# Altium PCB NORA_Clock_V0.2.PcbDoc (part 1 of 3) (continued)
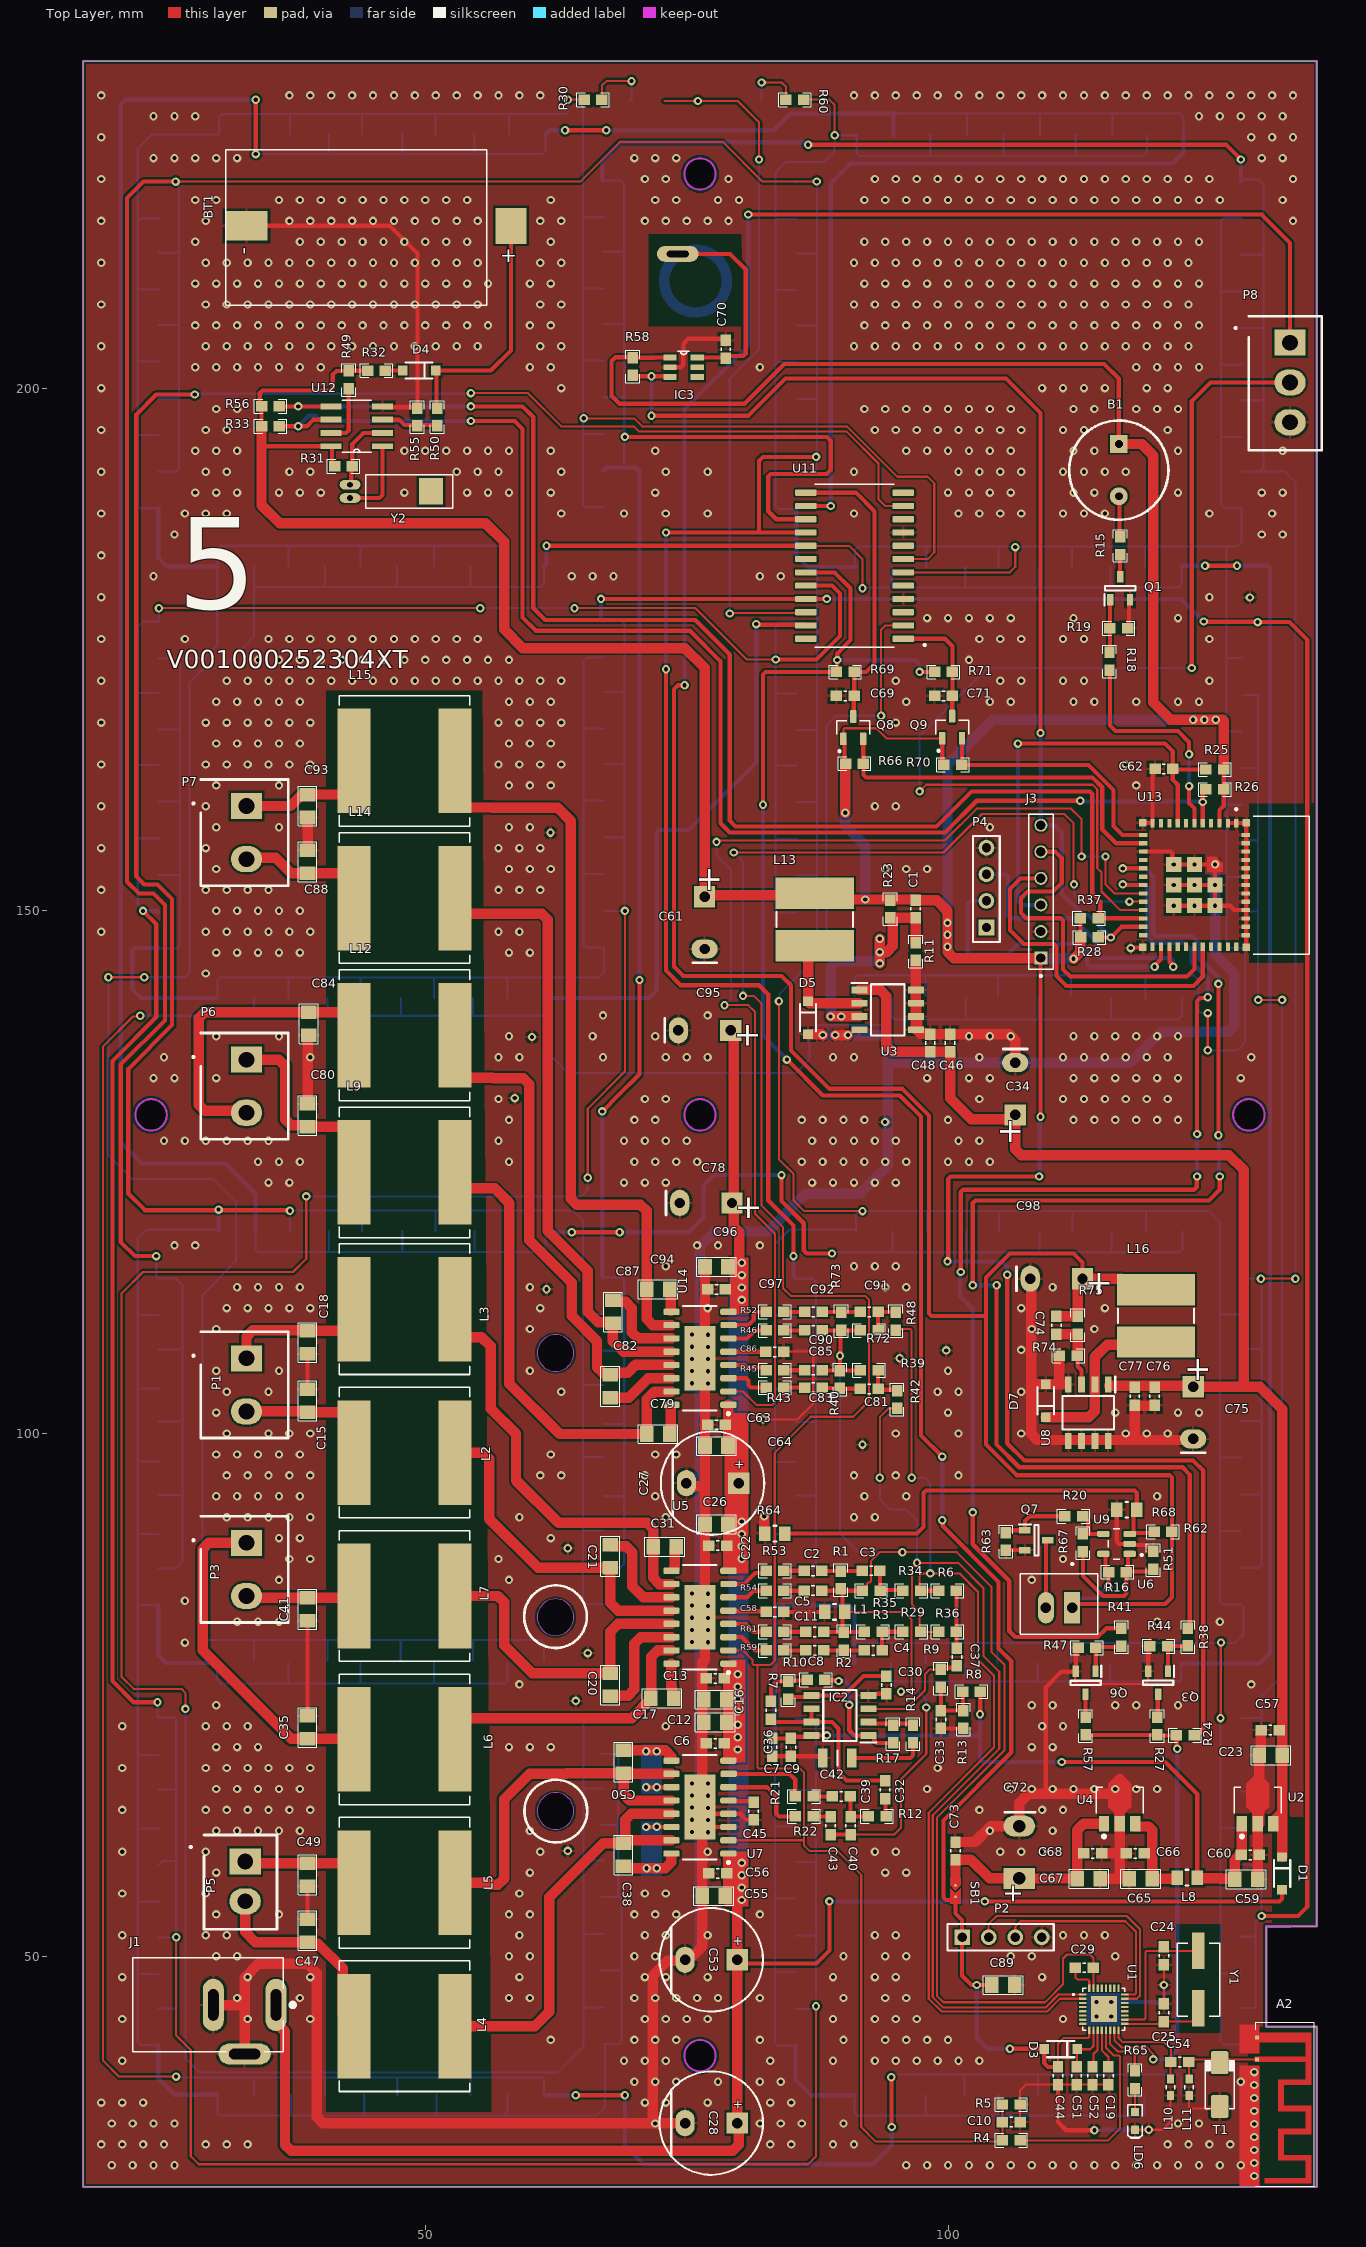
[diagram p0: Top Layer view]
## Footprints (in the part's own frame and the unit in brackets; to place one, negate y for a bottom-side part, rotate by r counter-clockwise, add the part's x,y. Pads: shape width x height; smd on the part's side, far side on the other; paste and mask are expansions set on the pad)
"1N4148 SOD-123" [mm]
  rect 0.9x0.95 smd: 1(-1.575,0) 2(1.575,0)
  silkscreen extent -1.3,-0.77 1.3,0.77, body extent -1.85,-0.8 1.85,0.8, height 1.28
"1N5819 SOD-123" [mm]
  rect 0.9x0.95 smd: 1(-1.575,0) 2(1.575,0)
  silkscreen extent -1.3,-0.77 1.3,0.77, body extent -1.85,-0.8 1.85,0.8, height 1.28
"7Seg 90*60 - No Wiring COMMON Cathod - 1206" [mm]
  round 0.254 on Mech15: 0(-22.352,-35.814) 0(-22.352,-22.985) 0(-22.352,-18.542) 0(-22.352,-6) 0(-22.352,-10.104) 0(-22.352,-14.224) 0(-22.351,-27.209) 0(-22.351,-31.527) 0(-14.955,-42.164) 0(-14.828,-0.889) 0(-10.851,-42.164) 0(-10.724,-0.889) 0(-6.731,-42.164) 0(-6.604,-0.889) 0(-2.413,-42.164) 0(-2.286,-0.889) 0(2.03,-42.164) 0(2.157,-0.889) 0(6.254,-42.163) 0(6.381,-0.888) 0(10.572,-42.163) 0(10.699,-0.888) 0(14.859,-42.164) 0(14.986,-0.889) 0(20.193,-35.56) 0(20.193,-22.731) 0(20.193,-18.288) 0(20.193,-5.746) 0(20.193,6.35) 0(20.193,19.179) 0(20.193,23.622) 0(20.193,36.164) 0(20.193,-9.85) 0(20.193,32.06) 0(20.193,-13.97) 0(20.193,27.94) 0(20.194,-26.955) 0(20.194,14.955) 0(20.194,-31.273) 0(20.194,10.637)
  rect 1.5x1.5 smd: 2(-21.425,-32.841) 2(-21.425,-26.041) 2(-21.425,-19.141) 2(-21.425,-12.124) 2(-21.425,-5.1) 3(-15.7,-41.2) 3(-8.676,-41.2) 3(-1.659,-41.2) 3(5.241,-41.2) 3(12.041,-41.2) 4(21.2,-32.937) 4(21.2,-26.137) 4(21.2,-19.237) 4(21.2,-12.22) 4(21.2,-5.196) 5(-21.425,-36.341) 5(-21.425,-29.541) 5(-21.425,-22.641) 5(-21.425,-15.624) 5(-21.425,-8.6) 5(-21.4,5.75) 5(-21.4,12.55) 5(-21.4,19.45) 5(-21.4,26.467) 5(-21.4,33.491) 5(-12.332,41.4) 5(-12.2,-41.2) 5(-12.178,0.1) 5(-5.308,41.4) 5(-5.176,-41.2) 5(-5.154,0.1) 5(1.709,41.4) 5(1.841,-41.2) 5(1.863,0.1) 5(8.609,41.4) 5(8.741,-41.2) 5(8.763,0.1) 5(15.409,41.4) 5(15.541,-41.2) 5(15.563,0.1) 5(21.2,-36.437) 5(21.2,-29.637) 5(21.2,-22.737) 5(21.2,-15.72) 5(21.2,-8.696) 5(21.2,5.659) 5(21.2,12.459) 5(21.2,19.359) 5(21.2,26.376) 5(21.2,33.4) 6(21.2,9.159) 6(21.2,15.959) 6(21.2,22.859) 6(21.2,29.876) 6(21.2,36.9) 7(-15.832,41.4) 7(-8.808,41.4) 7(-1.791,41.4) 7(5.109,41.4) 7(11.909,41.4) 9(-21.4,9.25) 9(-21.4,16.05) 9(-21.4,22.95) 9(-21.4,29.967) 9(-21.4,36.991) 10(-15.678,0.1) 10(-8.654,0.1) 10(-1.637,0.1) 10(5.263,0.1) 10(12.063,0.1)
  silkscreen extent -22.58,-42.35 22.35,42.55, body extent -22.15,-41.9 21.95,42.15, height 1.36
78L05 [mm] "SOT-89"
  rect 1x1.5 smd: 1(-1.5,-2) 3(1.5,-2)
  rect 1x1.5 smd paste-2 mask+0: 2(0,-2)
  Top Layer region: 1.1,1.85 1.1,-0.35 0.5,-0.95 0.5,-2.75 -0.5,-2.75 -0.5,-0.95 -1.1,-0.35 -1.1,1.85 -0.2,2.75 0.2,2.75
  silkscreen extent -2.25,-3.34 2.25,1.5, body extent -2.29,-2.35 2.41,2.1, height 1.7
"ANTENNA 2.4GHZ - TI" [mm] "TI ANTENNA"
  rect 0.4x0.4 smd: 1(-2.05,0.2) 2(0.05,0.2)
  Top Layer region: 0.3,0 -0.2,0 -0.2,4.9 -1.6,4.9 -1.6,0 -2.5,0 -2.5,5.4 2.5,5.4 2.5,2.76 4.5,2.76 4.5,5.4 7.2,5.4 7.2,2.76 9.2,2.76 9.2,5.4 11.9,5.4 11.9,0.96 11.4,0.96 11.4,4.9 9.7,4.9 9.7,2.26 6.7,2.26 6.7,4.9 5,4.9 5,2.26 2,2.26 2,4.9 0.3,4.9
  silkscreen extent -3.5,0.1 12.2,5.7
"battery Holder 2032" [mm]
  rect 4.064x2.8 smd: NEG(10.795,0)
  rect 3x3.45 smd: POS(-14.5,0)
  silkscreen extent -12.2,-7.3 12.8,7.6, body extent -14.9,-7.67 9.75,7.92, height 5.31
BC817 [mm] "SOT23-3"
  rect 1.1x0.6 smd: 1(-1.1,0.95) 2(-1.1,-0.95) 3(1.1,0)
  silkscreen extent -1.65,-1.45 0.2,1.5, body extent -1.25,-1.5 1.25,1.5, height 1.11
"BJT SS805" [mm]
  rect 1.1x0.6 smd: 1(-1.1,0.95) 2(-1.1,-0.95) 3(1.1,0)
  silkscreen extent -1.65,-1.45 0.2,1.5, body extent -1.25,-1.5 1.25,1.5, height 1.11
BS812C-1 [mil] "SOT23-6"
  rect 50x22 smd: 1(-51,37) 2(-51,0) 3(-51,-37) 4(51,-37) 5(51,0) 6(51,37)
  silkscreen extent -21,48 21,60, body extent -55,-57 55,57, height 57
BSS138 [mm] "SOT23-3"
  rrect25% 1.23x0.6 smd: 1(-1.06,0.95) 2(-1.06,-0.95) 3(1.06,0)
  silkscreen extent -2.35,-1.57 0.65,1.57, body extent -1.3,-1.45 1.3,1.45, height 1
Buzzer-TMB09A05 [mm] "Buzzer 9mm"
  round 1.7 hole 0.762: N(2.5,0)
  rect 1.7x1.7 hole 0.762: P(-2.5,0)
  silkscreen extent -4.75,-4.75 4.75,4.75, body extent -4.75,-4.75 4.75,4.75, height 5
cap0603 [mm]
  rect 1.1x1 smd: 1(-0.85,0) 2(0.85,0)
  silkscreen extent -0.15,-0.45 0.15,0.45, body extent -0.8,-0.45 0.8,0.45, height 0.82
"CAP 0805" [mil]
  rect 51x59 smd: 1(-43.31,0) 2(43.31,0)
  Top Layer pour cut-out: 15,35 15,-35 -15,-35 -15,35
  silkscreen extent -75,-35 75,35, body extent -39,-25 39,25, height 31
"CAP 1206" [mm]
  rect 0.9x1.82 smd: 1(-1.397,0) 2(1.397,0)
  silkscreen extent 0,-0.7 0,0.7, body extent -1.6,-0.8 1.6,0.8, height 1.8
"cap  dip 10*20" [mm]
  rect 2x3 hole 1.2: 1(-2.5,0)
  oval 2x3 hole 1.2: 2(2.5,0)
  silkscreen extent 3.81,-1.52 3.81,1.4, body extent -5,-5 5,5, height 20.8
"CAP DIP 10*13" [mm] "CAP 10*13"
  rect 2.032x2.032 hole 1: 1(0,2.5)
  oval 2.5x1.829 hole 1: 2(0,-2.5)
  silkscreen extent -4.95,-4.95 4.95,4.95, body extent -4.99,-5 5,5, height 16.8
CONN-PHOENIX-3.81 [mm]
  rect 2.5x3 hole 1.5: 1(-1.905,0.127)
  oval 2.5x3 hole 1.5: 2(1.905,0.127)
  silkscreen extent -4.45,-5.18 4.57,3.18, body extent -4.44,-4.07 4.57,3.18, height 9.2
"CONN-PHOENIX-3.81 3Pin" [mm]
  rect 2.5x3 hole 1.5: 1(-3.81,0)
  oval 2.5x3 hole 1.5: 2(0,0) 3(3.81,0)
  silkscreen extent -6.35,-5.31 6.48,3.05, body extent -6.41,-4.19 6.41,3.06, height 9.2
CONN-PHOENIX-5.08 [mm]
  rect 2.5x3 hole 1.5: 1(-2.413,0)
  oval 2.5x3 hole 1.5: 2(2.667,0)
  silkscreen extent -4.95,-5.18 5.21,4, body extent -5.08,-4.38 5.08,4.12, height 12
"crystal b" [mm]
  rect 3.5x1.2 smd: 1(-2.75,0) 2(2.75,0)
  silkscreen extent -3.5,-2.05 3.5,2.05, body extent -3.8,-2.05 3.8,2.05, height 2.3
Crystal_AB38T-32.768KHZ [mm] "XTAL_AB38T-32.768KHZ"
  oval 2x0.91 hole 0.56: 1(0,0.635) 2(0,-0.635)
  rect 2.31x2.52 smd: 3(-7.747,0)
  silkscreen extent -9.8,-1.6 -1.5,1.6, body extent -9.52,-1.27 1.65,1.71, height 6.1
CS8673E [mm] "ESOP16"
  rrect50% 1.57x0.6 smd paste-1: 1(-2.725,4.445) 2(-2.725,3.175) 3(-2.725,1.905) 4(-2.725,0.635) 5(-2.725,-0.632) 6(-2.725,-1.905) 7(-2.746,-3.179) 8(-2.725,-4.445) 9(2.725,-4.445) 10(2.725,-3.179) 11(2.725,-1.905) 12(2.725,-0.632) 13(2.725,0.635) 14(2.725,1.905) 15(2.725,3.175) 16(2.725,4.445)
  rect 3x6.2 smd paste-2539.97: 17(0,0)
  silkscreen extent -2.85,-5 1.6,5.42, body extent -3,-5 3,5, height 2.65
DS1307 [mil]
  rect 78x22 smd: 1(-92,80) 2(-92,30) 3(-92,-20) 4(-92,-70) 5(102,-70) 6(102,-20) 7(102,30) 8(102,80)
  silkscreen extent -49,-93 59,103, body extent -113,-91 123,101, height 60
ESP32-C3-MINI-1 [mm]
  rect 0.8x0.4 smd: 1(-5.9,1.3) 2(-5.9,0.5) 3(-5.9,-0.3) 4(-5.9,-1.1) 5(-5.9,-1.9) 6(-5.9,-2.7) 7(-5.9,-3.5) 8(-5.9,-4.3) 9(-5.9,-5.1) 10(-5.9,-5.9) 11(-5.9,-6.7) 25(5.9,-6.7) 26(5.9,-5.9) 27(5.9,-5.1) 28(5.9,-4.3) 29(5.9,-3.5) 30(5.9,-2.7) 31(5.9,-1.9) 32(5.9,-1.1) 33(5.9,-0.3) 34(5.9,0.5) 35(5.9,1.3)
  rect 0.4x0.8 smd: 12(-4.8,-7.6) 13(-4,-7.6) 14(-3.2,-7.6) 15(-2.4,-7.6) 16(-1.6,-7.6) 17(-0.8,-7.6) 18(0,-7.6) 19(0.8,-7.6) 20(1.6,-7.6) 21(2.4,-7.6) 22(3.2,-7.6) 23(4,-7.6) 24(4.8,-7.6) 36(4.8,2.2) 37(4,2.2) 38(3.2,2.2) 39(2.4,2.2) 40(1.6,2.2) 41(0.8,2.2) 42(0,2.2) 43(-0.8,2.2) 44(-1.6,2.2) 45(-2.4,2.2) 46(-3.2,2.2) 47(-4,2.2) 48(-4.8,2.2)
  rect 0.6x0.6 smd paste-1 mask+0: 49_1(-1.975,-0.725)
  rect 1.45x1.45 smd: 49_2(0,-0.725) 49_3(1.975,-0.725) 49_4(1.975,-2.7) 49_5(1.975,-4.675) 49_6(0,-4.675) 49_7(-1.975,-4.675) 49_8(-1.975,-2.7) 49_9(0,-2.7)
  rect 0.7x0.7 smd: 50(5.95,2.25) 51(5.95,-7.65) 52(-5.95,-7.65) 53(-5.95,2.25)
  Top Layer region: -1.25,-1.45 -2.7,-1.45 -2.7,-0.6 -2.1,0 -1.25,0
  silkscreen extent -7.35,1.2 6.6,8.3, body extent -6.6,-8.3 6.6,8.3, height 2.55
"FAN_Connector XH" [mm] "FAN_Connector XH 2.54mm"
  rect 1.508x3 hole 1: 1(-1.25,-0.525)
  oval 1.508x3 hole 1: 2(1.25,-0.525)
  silkscreen extent -3.7,-4.8 3.7,1.99, body extent -3.71,-3.89 3.68,1.85, height 10.11
Ferrite-0805 [mm]
  rect 1.1x1.4 smd: 1(0.962,0) 2(-0.962,0)
  silkscreen extent -0.14,-0.75 0.14,0.75, body extent -1.02,-0.63 1.02,0.64, height 0.6
FR9886 [mm]
  rect 1.525x0.65 smd: 1(-2.712,1.905) 2(-2.712,0.635) 3(-2.712,-0.635) 4(-2.712,-1.905) 5(2.712,-1.905) 6(2.712,-0.635) 7(2.712,0.635) 8(2.712,1.905)
  silkscreen extent -3.47,-2.45 1.6,2.58, body extent -3,-2.45 3,2.45, height 1.75
HDR1X4H [mm] "Connector; Header; 4 Position; Right Angle"
  rect 1.5x1.5 hole 0.9: 1(0,0)
  round 1.5 hole 0.9: 2(2.54,0) 3(5.08,0) 4(7.62,0)
  silkscreen extent -1.4,-1.27 8.76,1.27
"Inductor 8*7" [mm] "Inductor, 2-Leads"
  rect 3x7.5 smd: 1(-2.5,0) 2(2.5,0)
  silkscreen extent -0.7,-3.65 0.7,3.65, body extent -3.95,-3.5 3.94,3.5, height 5
"inductor 12*12" [mil]
  rect 124x393.7 smd paste-99999: 1(-190,0) 2(190,0)
  silkscreen extent -246,-246 246,246, body extent -236,-236 236,236, height 315
"inductor 0603" [mm]
  rect 0.85x0.7 smd: 1(-0.775,0) 2(0.775,0)
  silkscreen extent -0.2,-0.4 0.2,0.4, body extent -0.8,-0.4 0.8,0.4, height 0.8
JL7016C [mm] "QFN32 4*4"
  rrect25% 0.71x0.22 smd mask-2539.97: 1(-2.005,1.4) 2(-2.005,1) 3(-2.005,0.6) 4(-2.005,0.2) 5(-2.005,-0.2) 6(-2.005,-0.6) 7(-2.005,-1) 8(-2.005,-1.4) 17(2.005,-1.4) 18(2.005,-1) 19(2.005,-0.6) 20(2.005,-0.2) 21(2.005,0.2) 22(2.005,0.6) 23(2.005,1) 24(2.005,1.4)
  rrect25% 0.22x0.71 smd mask-2539.97: 9(-1.4,-2.005) 10(-1,-2.005) 11(-0.6,-2.005) 12(-0.2,-2.005) 13(0.2,-2.005) 14(0.6,-2.005) 15(1,-2.005) 16(1.4,-2.005) 25(1.4,2.005) 26(1,2.005) 27(0.6,2.005) 28(0.2,2.005) 29(-0.2,2.005) 30(-0.6,2.005) 31(-1,2.005) 32(-1.4,2.005)
  rect 2.5x2.5 smd paste-2: 33(0,0)
  silkscreen extent -2.97,-2 2,2, body extent -2,-2 2,2, height 0.55
JP2_SMD [mil]
  round 10 smd paste-10 mask+3.94: 1(-19.68,0) 2(23.62,0)
  Top Layer region: -9.84,-19.69 49.21,-19.69 49.21,19.68 -9.84,19.68 9.84,0
  Top Layer region: -19.68,19.68 -49.21,19.68 -49.21,-19.69 -19.68,-19.69 0,0
"LED 1206" [mm]
  rect 1.5x1.5 smd: 1(-1.75,0) 2(1.75,0)
  silkscreen extent -2.9,-1.15 3.2,1.15, body extent -1.65,-0.72 1.65,0.73, height 1.36
LED-0603-BLUE [mm]
  round 0.254 on Mech15: 0(0,0)
  rrect25% 0.8x0.8 smd: 1(0.85,0) 2(-0.85,0)
  Bottom Layer pour cut-out: -0.5,-0.5 0.5,-0.5 0.5,0.5 -0.5,0.5
  silkscreen extent -1.55,-0.67 1.68,0.67, body extent -0.8,-0.4 0.8,0.4, height 0.75
LM321 [mm] "SOT23-5"
  rrect50% 1.21x0.59 smd: 1(-1.255,0.95) 2(-1.255,0) 3(-1.255,-0.95) 4(1.255,-0.95) 5(1.255,0.95)
  silkscreen extent -2.51,-1.45 0.8,1.45, body extent -1.4,-1.45 1.4,1.45, height 1.43
MAX7221CWG [mm] "SOIC127P1032X265-24N"
  rrect25% 2.05x0.59 smd: 1(-4.655,6.985) 2(-4.655,5.715) 3(-4.655,4.445) 4(-4.655,3.175) 5(-4.655,1.905) 6(-4.655,0.635) 7(-4.655,-0.635) 8(-4.655,-1.905) 9(-4.655,-3.175) 10(-4.655,-4.445) 11(-4.655,-5.715) 12(-4.655,-6.985) 13(4.655,-6.985) 14(4.655,-5.715) 15(4.655,-4.445) 16(4.655,-3.175) 17(4.655,-1.905) 18(4.655,-0.635) 19(4.655,0.635) 20(4.655,1.905) 21(4.655,3.175) 22(4.655,4.445) 23(4.655,5.715) 24(4.655,6.985)
  silkscreen extent -6.81,-7.8 3.8,7.8, body extent -5.16,-7.7 5.16,7.7, height 2.65
"pin header1*6" [mm]
  rect 1.24x1.24 hole 0.89: 1(0,0)
  round 1.24 hole 0.89: 2(2.54,0) 3(5.08,0) 4(7.62,0) 5(10.16,0) 6(12.7,0)
  silkscreen extent -1.82,-1.17 13.77,1.17, body extent -1.27,-1.24 13.97,1.25, height 8.54
"Power jack" [mm]
  oval 2x5 hole 1 slot 3 at 90 deg: 1(-6.5,0) 2(-0.5,0)
  oval 5x2 hole 1 slot 3 at 0 deg: 3(-3.5,4.7)
  silkscreen extent -8.3,-4.5 7.2,4.5, body extent -7.2,-4.57 7.2,4.83, height 11.01
RC4558 [mm]
  rect 1.525x0.65 smd: 1(-2.712,1.905) 2(-2.712,0.635) 3(-2.712,-0.635) 4(-2.712,-1.905) 5(2.712,-1.905) 6(2.712,-0.635) 7(2.712,0.635) 8(2.712,1.905)
  silkscreen extent -3.47,-2.45 1.6,2.58, body extent -3,-2.45 3,2.45, height 1.75
RES-0603 [mm]
  rect 1.1x1 smd: 1(0.85,0) 2(-0.85,0)
  Top Layer pour cut-out: 0.254,0.635 -0.254,0.635 -0.254,-0.635 0.254,-0.635
  silkscreen extent -1.55,-0.66 1.55,0.66, body extent -0.8,-0.42 0.8,0.43, height 0.45
RES-0805 [mm]
  rect 1.1x1.4 smd: 1(0.962,0) 2(-0.962,0)
  silkscreen extent -0.14,-0.75 0.14,0.75, body extent -1.02,-0.63 1.02,0.64, height 0.6
SMAJ3.3A [mm] "JEDEC DO214-AC. SMA"
  round 0.508 on Mech15: 0(0,0)
  rrect25% 2.2x1.7 smd: A(2.1,0) C(-2.1,0)
  silkscreen extent -2.3,-1.4 2.3,1.4, body extent -2.6,-1.3 2.6,1.3, height 2.42
"Touch pad CIRCULE - 5mm" [mm]
  oval 4x1.5 hole 0.6 slot 2.1 at 0 deg: 1(-1.7,-2.6)
  Top Layer circle w1: c0,0 r3
  body extent -6.1,-6.34 5.76,5.93, height 17.33

## Part data
A2: "ESP32 ANTENNA"
B1: library part Buzzer_9MM, "09 mm, 5 V, 85 dB, Through Hole, Magnetic Audio Transducer Buzzer"
BT1: library part "Battery Holder 2032", "Battery Holder (Open) Coin, 20.0mm 1 Cell SMD (SMT) Tab"
C1 C2 C3 C4 C5 C6 C7 C8 C9 C10 C11 C13 C19 C22 C24 C25 C29 C30 C32 C33 C36 C37 C39 C40 C43 C44 C45 C46 C48 C51 C52 C54 C56 C57 C58 C60 C62 C63 C66 C68 C69 C70 C71 C73 C74 C76 C77 C81 C83 C85 C86 C90 C91 C92 C97: library part "Cap 0603", "Capacitor 0603"
C12 C15 C16 C17 C18 C20 C21 C23 C26 C31 C35 C38 C41 C47 C49 C50 C55 C59 C64 C65 C67 C79 C80 C82 C84 C87 C88 C89 C93 C94 C96: library part "Cap 0805", "Capacitor 0805"
C27 C28 C34 C53 C61 C75 C78 C95 C98: library part "capacitor dip 10*13", "2200ÂµF 50V Aluminum Electrolytic Capacitors Radial, Can 1000 Hrs @ 105Â°C"
C42: library part "Cap 1206", "Capacitor 1206"
C72: library part "capacitor dip 10*20", "2200ÂµF 50V Aluminum Electrolytic Capacitors Radial, Can 1000 Hrs @ 105Â°C"
D1 D4 D5 D7: "Shotkey diod SOD-123"
D2 D6: library part "LED_red 1206", "LED, red, 1206"
D3: library part 1N4148_SOD123, "SOD-123 Package"
DS1 DS2 DS3 DS4: library part "7SEG 90*60mm", "7-Segment Display 90*60mm"
IC2: "Integrated Circuit SOIC 8"
IC3: "Integrated Circuit"
J1: "2.0 x 6.5 mm, 2.5 A, Horizontal, Through Hole, Tapered Pins, Dc Power Jack Connector"
J3: library part "pin header 06", "Pin Connector 06 MODII HDR SRST B/A .100CL 6 POS"
L1 L8: library part "Ferrite _0805", "BLM Series 0805 330 Ohm 400 mA 0.58 Ohm DCR Surface Mount Ferrite Bead"
L2 L3 L4 L5 L6 L7 L9 L12 L14 L15: library part "INDUCTOR 12*12", "Inductor round 12*12"
L10 L11: library part INDUCTOR_SMD, "Inductor smd"
L13 L16: library part "INDUCTOR 8*7", "Inductor round 8*7"
LD6: library part LED_blue, "LED, Blue, 0603"
P1 P3 P6 P7: library part CONN-Phoenix-5.08, "Phoenix Connector 5.08"
P2: library part "Header 4", "Header, 4-Pin"
P4: library part "pin header 1X4", "Header, 4-Pin"
P5: library part CONN-Phoenix-3.81_1, "Phoenix Connector 3.81"
P8: library part "CONN-Phoenix-3.81 3Pin", "Phoenix Connector 3.81"
Q1 Q3 Q6: library part "SS8050-G BJT_ Transistor", "Bipolar _BJT_ Transistor NPN 25V 1.5A 100MHz 300mW Surface Mount SOT-23"
Q7: "NPN General Purpose Amplifier BJT"
R1 R2 R3 R4 R5 R6 R7 R8 R9 R10 R11 R12 R13 R14 R15 R16 R17 R18 R19 R20 R21 R22 R23 R24 R25 R26 R27 R28 R29 R30 R31 R32 R33 R34 R35 R36 R37 R38 R39 R40 R41 R42 R43 R44 R45 R46 R47 R48 R49 R50 R51 R52 R53 R54 R55 R56 R57 R58 R59 R60 R61 R62 R63 R65 R66 R67 R69 R70 R71 R72 R73 R74 R75: library part "Res 0603", "Resistor 0603"
R64 R68: library part "Res 0805", "resistor 0805"
SB1: "Circuit Breaker"
T1: library part SMAJ3.3A, "one side TVS Diode"
T7: library part "touch pad 5mm"
U1: "BlE Chip"
U2: library part 78L05, "Linear Voltage Regulator IC 1 Output 100mA SOT-89-3"
U3 U8: "Regulator SOP-8"
U4: "Linear Voltage Regulator IC 1 Output 100mA SOT-89-3"
U5 U7 U14: "AB/D 2X40W BTL & 80W PBTL ESOP16"
U6: "FAN 12V 40*40*10mm . XH Connector"
U9: "Operational Amplifier 5-SOT-23"
U11: "LED Driver 64 Segment 330000uA Supply Current 24-Pin SOIC W T/R"
U12: "Real Time Clock _RTC_ IC Clock/Calendar 56B IÂ²C, 2-Wire Serial 8-SOIC _0.154, 3.90mm Width_"
Y1: library part "crystal b", "13MHz Â±30ppm Crystal 20pF 60 Ohms HC-49/US  ECS-130-20-3X-TR"
Y2: library part "Crystal 32.768KHz", "32.768 KHz Dip ±20ppm 12.5pf"

## Via types
v1: diameter 0.8, hole 0.4, Top Layer to Bottom Layer, 1365 vias

## Nets (pads, with @x,y where several pads share a name; then routed paths per layer and width w, separated by ;. In a path a pad name is that pad's centre, name@x,y a point inside that pad or via, vN(x,y) a via of type N, cw(c..) or ccw(c..) an arc to the next point about the centre after c; other vN are vias at no path point)
3.3V: B1.P C1.1 C61.1 IC3.1 J3.1 L13.1 Q8.1 Q9.1 R23.2 R24.1 R25.1 R26.1 R28.1 R31.1 R32.2 R33.1 R37.2 R49.1 R56.2 R58.1 R66.2 R70.2 U12.8 U13.3 | length 444.8
  Top Layer w0.2: 90.17,165.1 90.082,165.188 89.982,165.288 Q8.1@89.982,166.453 89.982,167.345 90.099,167.462 93.142,167.462 94.107,166.497 Q9.1@99.441,166.497
  Top Layer w0.4: R33.1@34.329,196.342 R56.2@34.329,198.247 34.163,198.413 34.163,199.517 34.417,199.771 40.914,199.771 41.148,200.005 41.148,201.295 41.49,201.637 R49.1@42.672,201.637 42.692,201.656 44.469,201.656 R32.2@44.489,201.676 ; 34.563,194.437 U12.8@40.97,194.437 40.981,194.437 41.06,194.358 41.06,192.532 R31.1@41.314,192.532 ; IC3.1@73.406,202.933 73.393,202.92 71.919,202.92 71.906,202.907 R58.1@69.85,202.907 69.811,202.946 68.199,202.946 67.818,202.565 67.818,199.263 68.58,198.501 80.518,198.501 84.328,202.311 114.935,202.311 116.332,200.914 B1.P@116.332,194.651 ; L13.1@87.246,151.661 87.373,151.661 88.007,151.027 L13.1@88.389,151.027 ; Q8.1@89.982,166.453 90.082,166.353 90.082,165.188 90.082,164.211 R66.2@90.209,164.084 ; Q9.1@99.441,166.497 99.441,164.123 R70.2@99.607,163.957 ; v1(99.949,116.459) 100.021,116.531 100.021,124.353 100.255,124.587 v1(108.712,124.587) ; v1(105.664,115.189) 105.664,99.06 107.315,97.409 123.444,97.409 124.41,96.443 124.41,71.654 124.175,71.42 123.832,71.42 R24.1@123.532,71.12 ; v1(108.839,130.302) 108.839,145.438 J3.1@108.881,145.48 ; R28.1@112.646,147.447 112.667,147.468 112.667,149.266 R37.2@112.646,149.287 ; U13.3@125.968,158.363 125.968,159.623 126.368,160.023 R26.1@126.368,161.609 R25.1@126.368,163.514
  Top Layer w1: R33.1@34.329,196.342 34.329,188.81 36.068,187.071 55.753,187.071 57.531,185.293 57.531,176.911 59.309,175.133 74.803,175.133 76.708,173.228 C61.1@76.708,151.503 ; C61.1@76.708,151.344 C61.1@76.708,151.503 ; L13.1@87.246,151.661 87.088,151.503 C61.1@76.708,151.503 ; L13.1@88.389,151.027 88.439,151.077 v1(92.075,151.077) R23.2@94.485,151.077 ; v1(90.17,159.385) 90.17,164.084 R66.2@90.209,164.084 ; R23.2@94.485,151.027 R23.2@94.485,151.077 ; J3.1@108.881,145.48 100.532,145.48 99.946,146.065 v1(99.946,148.844) 99.946,149.979 98.898,151.027 C1.1@96.898,151.027 96.898,151.077 R23.2@94.485,151.077 ; v1(112.014,145.415) 112.638,146.039 112.638,147.447 112.646,147.447 R28.1@112.688,147.447 ; B1.P@116.332,194.651 118.531,194.651 119.634,193.548 119.634,169.926 121.285,168.275 v1(123.444,168.275) v1(125.603,168.275) 126.292,168.275 126.368,168.198 ; R25.1@126.368,163.514 126.368,168.098
  Bottom Layer w0.4: v1(99.949,116.459) 105.176,116.459 105.664,115.971 v1(105.664,115.189) ; v1(108.712,124.587) 108.775,124.65 108.775,130.238 v1(108.839,130.302)
  Bottom Layer w1: v1(90.17,159.385) 90.17,158.115 92.075,156.21 v1(92.075,151.077) ; v1@99.946,146.558 v1(99.946,148.844) 99.946,163.954 104.267,168.275 v1(123.444,168.275) v1(125.603,168.275) ; J3.1@108.881,145.48 111.949,145.48 v1(112.014,145.415)
  other v1: 99.949,146.558 99.949,147.701 124.523,168.274
5V_D: P4.1
12V: C7.2 C9.1 C59.2 C60.2 IC2.8 L8.2 R8.2 U2.1 | length 65.9
  Top Layer w0.4: C7.2@83.185,70.827 C9.1@84.963,70.827 85.131,70.995 86.387,70.995 86.512,71.12 IC2.8@86.95,71.12 v1(88.392,71.12) ; v1(103.06,73.149) 103.072,73.161 103.072,75.299 R8.2@103.085,75.311 ; v1(110.871,68.58) 120.777,68.58 123.833,65.524 L8.2@123.833,57.516
  Top Layer w1: L8.2@123.833,57.516 123.833,57.491 123.883,57.441 126.097,57.441 ; 126.097,57.416 127.374,57.416 C59.2@127.424,57.366 127.424,59.236 128.11,59.922 U2.1@128.11,62.655
  Bottom Layer w0.4: v1(88.392,71.12) 102.922,71.12 103.06,70.982 ; v1(103.06,73.149) 103.06,70.982 ; v1(110.871,68.58) 103.294,68.58 103.06,68.814 103.06,70.982
12V_FAN: C74.1 C98.1 L16.1 P8.1 R16.2 R62.2 R75.2 U6.1 U9.5 | length 286.1
  Top Layer w0.4: v1(74.803,171.577) 74.168,171.577 73.787,171.196 73.787,144.653 74.676,143.764 84.074,143.764 84.963,142.875 84.963,136.652 88.646,132.969 95.631,132.969 98.171,130.429 98.171,111.486 98.405,111.252 103.632,111.252 ; v1(80.894,216.609) 129.974,216.609 132.715,213.868 P8.1@132.715,204.343 ; U6.1@111.867,83.329 111.972,83.224 112.441,83.693 120.777,83.693 121.421,84.337 R62.2@121.421,90.586 121.421,95.778 121.186,96.012 106.553,96.012 103.632,98.933 103.632,111.252 ; C98.1@112.863,114.808 112.863,116.372 112.014,117.221 105.918,117.221 103.632,114.935 103.632,111.252 ; U9.5@114.861,88.49 114.967,88.49 115.062,88.395 115.062,87.034 115.399,86.697 115.335,86.633 115.335,85.363 v1(115.316,85.344)
  Top Layer w1: C74.1@110.363,111.213 R75.2@112.395,111.213 112.395,114.34 C98.1@112.863,114.808 116.582,114.808 117.638,113.752 L16.1@119.888,113.752
  Bottom Layer w0.4: v1(74.803,171.577) 74.803,197.993 80.894,204.084 v1(80.894,216.609) ; U6.1@111.867,83.329 111.867,83.664 112.421,84.218 114.19,84.218 v1(115.316,85.344)
AB/D: R65.1 U1.14 | length 5.6
  Top Layer w0.2: U1.14@115.508,42.926 115.508,41.591 116.205,40.894 117.475,40.894 117.856,40.513 117.856,39.058 R65.1@117.883,39.031
ADKEY: R24.2 R27.2 R57.1 U1.15 | length 47.2
  Top Layer w0.2: U1.15@115.908,42.926 115.908,41.953 116.586,41.275 118.999,41.275 119.593,40.681 119.593,40.173 v1(119.634,40.132)
  Top Layer w0.4: R57.1@113.157,71.159 R27.2@120.015,71.159 120.054,71.12 R24.2@121.832,71.12 121.876,71.076 121.876,69.894 v1(121.92,69.85)
  Bottom Layer w0.4: v1(119.634,40.132) 121.031,40.132 121.92,41.021 v1(121.92,69.85)
AGND: C5.2 C11.2 C29.2 C40.1 C43.2 C85.2 C90.2 L1.2 R1.2 R2.2 R3.1 R35.2 R39.1 R40.2 R72.2 R73.2 U1.31 | length 164.7
  Top Layer w0.2: C5.2@87.929,84.963 C5.2@88.011,85.045 ; L1.2@90.116,82.931 95.758,82.931 96.52,82.169 96.52,75.565 96.266,75.311 v1(95.504,75.311) ; C40.1@90.678,61.634 94.869,61.634 95.504,62.269 95.504,66.929 97.917,69.342 v1(97.917,73.787) ; R35.2@91.806,84.963 91.826,84.963 92.226,85.363 92.226,85.618 92.343,85.735 92.501,85.735 92.618,85.852 92.618,87.792 93.472,88.646 v1(95.631,88.646) 100.838,88.646 104.14,85.344 104.14,79.121 105.41,77.851 105.41,69.723 98.933,63.246 98.933,46.228 99.568,45.593 109.288,45.593 110.998,47.303 110.998,49.784 111.379,50.165 113.538,50.165 113.908,49.795 113.908,48.895 U1.31@113.908,46.936
  Top Layer w0.4: C5.2@87.929,84.963 R1.2@89.894,84.963 ; C85.2@87.972,106.045 87.991,106.026 89.643,106.026 R40.2@89.662,106.006 ; C90.2@87.972,109.855 R73.2@89.75,109.855 ; C11.2@88.099,81.026 88.118,81.007 R2.2@90.023,81.007 ; C43.2@88.773,61.634 C40.1@90.678,61.634 ; R73.2@89.789,109.855 R72.2@91.606,109.855 ; R73.2@89.789,109.894 R73.2@89.75,109.855 ; R39.1@91.606,106.045 91.587,106.026 89.681,106.026 R40.2@89.662,106.006 ; R35.2@91.806,84.963 R1.2@89.894,84.963 ; R3.1@91.987,81.026 91.967,81.007 R2.2@90.023,81.007 ; R40.2@89.662,106.006 v1(89.662,107.442) 89.725,107.505 89.725,109.83 R73.2@89.75,109.855 ; R1.2@89.894,84.963 89.894,81.136 R2.2@90.023,81.007
  Bottom Layer w0.2: v1(89.662,107.442) 89.662,90.424 91.44,88.646 v1(95.631,88.646) ; v1(95.504,75.311) 97.155,75.311 97.917,74.549 v1(97.917,73.787)
Alarm_1: DS1.5 R30.2 U11.7 | length 393.3
  Top Layer w0.2: v1(63.627,227.584) R30.2@65.19,227.584 ; v1(65.151,197.104) 69.977,197.104 70.739,196.342 90.326,196.342 95.152,191.516 98.044,191.516 98.679,190.881 98.679,184.277 98.044,183.642 U11.7@95.714,183.642
  Bottom Layer w0.2: DS1.5@24.456,146.409 26.177,146.409 26.544,146.776 26.544,153.433 ; DS1.5@24.456,153.433 26.544,153.433 ; DS1.5@24.456,160.45 26.544,160.45 ; DS1.5@24.456,167.35 26.544,167.35 ; DS1.5@24.456,174.15 28.862,174.15 30.093,175.381 DS1.5@30.093,182.946 30.093,184.599 30.408,184.915 36.885,184.915 ; DS1.5@24.456,188.504 22.735,188.504 22.487,188.752 22.487,195.483 ; DS1.5@24.456,195.529 22.532,195.529 22.487,195.483 ; DS1.5@24.456,202.546 22.536,202.546 22.487,202.595 ; DS1.5@24.456,209.446 22.494,209.446 22.487,209.453 ; DS1.5@24.456,216.246 22.802,216.246 22.487,215.93 ; 26.576,174.15 26.544,174.118 26.544,167.35 ; DS1.5@30.115,141.646 30.115,143.299 30.43,143.615 36.907,143.615 ; DS1.5@36.893,182.946 36.893,184.907 36.885,184.915 ; DS1.5@36.915,141.646 36.915,143.607 36.907,143.615 ; DS1.5@37.047,224.246 37.047,226.207 37.039,226.215 ; DS1.5@43.793,182.946 43.793,184.865 43.743,184.915 ; DS1.5@43.815,141.646 43.815,143.565 43.765,143.615 ; DS1.5@43.947,224.246 43.947,226.165 43.897,226.215 ; DS1.5@50.81,182.946 50.81,184.869 50.855,184.915 ; DS1.5@50.832,141.646 50.832,143.569 50.877,143.615 ; DS1.5@50.964,224.246 50.964,226.169 51.009,226.215 ; DS1.5@57.834,182.946 57.834,184.667 57.586,184.915 50.855,184.915 ; DS1.5@57.856,141.646 57.856,143.367 57.608,143.615 ; DS1.5@57.988,224.246 57.988,226.215 ; DS1.5@67.056,188.596 65.335,188.596 65.087,188.844 65.087,195.575 ; DS1.5@67.056,195.62 65.132,195.62 65.087,195.575 ; DS1.5@67.056,202.637 65.136,202.637 65.087,202.687 ; DS1.5@67.056,209.537 65.094,209.537 65.087,209.545 ; DS1.5@67.056,216.337 65.087,216.337 ; DS1.5@67.081,153.529 65.158,153.529 65.112,153.483 ; DS1.5@67.081,160.546 65.162,160.546 65.112,160.595 ; DS1.5@67.081,167.446 65.12,167.446 65.112,167.453 ; DS1.5@67.081,174.246 65.428,174.246 65.112,173.93 65.112,167.453 ; 22.487,195.483 22.487,202.595 ; 22.487,202.595 22.487,209.453 ; 22.487,209.453 22.487,215.93 ; 22.487,215.93 22.487,222.893 23.84,224.246 DS1.5@30.247,224.246 30.247,225.899 30.562,226.215 37.039,226.215 ; 26.544,153.433 26.544,160.45 ; 26.544,160.45 26.544,167.35 ; 36.885,184.915 43.743,184.915 ; 36.907,143.615 43.765,143.615 ; 37.039,226.215 43.897,226.215 ; 43.743,184.915 50.855,184.915 ; 43.765,143.615 50.877,143.615 ; 43.897,226.215 51.009,226.215 ; 50.877,143.615 57.608,143.615 ; 51.009,226.215 57.988,226.215 ; 57.608,143.615 66.526,143.615 67.081,144.17 DS1.5@67.081,146.504 65.36,146.504 65.112,146.752 65.112,153.483 ; 57.988,226.215 63.51,226.215 63.627,226.332 v1(63.627,227.584) 64.408,227.584 65.087,226.906 65.087,216.337 ; 65.087,195.575 65.087,202.687 ; 65.087,202.687 65.087,209.545 ; 65.087,209.545 65.087,216.337 ; 65.112,153.483 65.112,160.595 ; 65.112,160.595 65.112,167.453
  Bottom Layer w0.4: DS1.5@24.456,146.409 24.434,146.431 22.205,146.431 21.971,146.197 21.971,142.494 22.819,141.646 DS1.5@30.115,141.646 ; DS1.5@24.456,188.504 24.456,183.841 24.423,183.808 25.285,182.946 DS1.5@30.093,182.946
Alarm_2: DS2.5 R60.2 U11.6 | length 361.8
  Top Layer w0.2: R60.2@86.194,227.584 88.646,227.584 89.154,227.076 v1(89.154,224.184) ; U11.6@95.714,182.372 105.906,182.372 106.426,182.892 v1(106.426,184.785) ; v1(124.841,136.652) v1(124.841,140.208)
  Bottom Layer w0.2: DS2.5@85.48,146.347 87.008,146.347 87.449,146.788 87.449,153.326 ; DS2.5@85.48,153.371 87.404,153.371 87.449,153.326 ; DS2.5@85.48,160.388 87.4,160.388 87.449,160.438 ; DS2.5@85.48,167.288 87.442,167.288 87.449,167.296 ; DS2.5@85.48,174.088 87.405,174.088 87.449,174.044 ; DS2.5@85.48,188.442 83.759,188.442 83.511,188.69 83.511,195.421 ; DS2.5@85.48,195.467 83.556,195.467 83.511,195.421 ; DS2.5@85.48,202.484 83.561,202.484 83.511,202.533 ; DS2.5@85.48,209.384 83.519,209.384 83.511,209.391 ; DS2.5@85.48,216.184 83.511,216.184 ; 87.503,182.884 87.449,182.83 87.449,174.088 87.449,167.296 ; DS2.5@91.059,141.859 91.059,143.513 91.374,143.828 97.851,143.828 ; DS2.5@91.117,182.884 91.117,184.537 91.433,184.853 97.91,184.853 ; DS2.5@97.859,141.859 97.859,143.821 97.851,143.828 ; DS2.5@97.917,182.884 97.917,184.845 97.91,184.853 ; DS2.5@98.296,224.184 98.296,222.26 98.25,222.214 ; DS2.5@104.759,141.859 104.759,143.779 104.709,143.828 ; DS2.5@104.817,182.884 104.817,184.803 104.768,184.853 ; DS2.5@105.313,224.184 105.313,222.264 105.362,222.214 ; DS2.5@111.776,141.859 111.776,143.783 111.821,143.828 ; DS2.5@111.834,182.884 111.834,184.807 111.88,184.853 ; DS2.5@112.213,224.184 112.213,222.222 112.22,222.214 ; DS2.5@118.858,182.884 118.858,184.605 118.611,184.853 ; DS2.5@118.88,141.584 118.88,143.828 ; DS2.5@119.013,224.184 119.013,222.53 118.697,222.214 112.22,222.214 ; v1(124.841,136.652) 127.635,136.652 128.415,137.432 128.415,146.133 DS2.5@128.106,146.442 126.862,146.442 126.619,146.685 126.619,153.242 ; v1(124.841,140.208) 124.206,140.208 123.952,140.462 123.952,143.383 123.507,143.828 118.88,143.828 ; DS2.5@128.08,195.334 126.119,195.334 126.111,195.326 ; DS2.5@128.08,202.234 126.161,202.234 126.111,202.184 ; DS2.5@128.08,209.251 126.156,209.251 126.111,209.296 ; DS2.5@128.08,216.275 126.359,216.275 126.111,216.027 126.111,209.296 ; DS2.5@128.106,153.242 126.619,153.242 ; DS2.5@128.106,160.142 126.619,160.142 ; DS2.5@128.106,167.159 126.619,167.159 ; DS2.5@128.106,174.184 126.619,174.184 ; 83.511,195.421 83.511,202.533 ; 83.511,202.533 83.511,209.391 ; 83.511,209.391 83.511,216.184 ; 83.511,216.184 83.511,220.671 84.455,221.615 88.138,221.615 89.154,222.631 v1(89.154,224.184) DS2.5@91.271,224.184 91.271,222.462 91.519,222.214 98.25,222.214 ; 87.449,153.326 87.449,160.438 ; 87.449,160.438 87.449,167.296 ; 97.851,143.828 104.709,143.828 ; 97.91,184.853 104.768,184.853 ; 98.25,222.214 105.362,222.214 ; 104.709,143.828 111.821,143.828 ; 104.768,184.853 111.88,184.853 ; 105.362,222.214 112.22,222.214 ; 111.821,143.828 118.88,143.828 ; 111.88,184.853 118.611,184.853 ; 118.611,184.853 126.619,184.853 ; 126.111,195.326 126.111,202.184 ; 126.111,195.326 126.111,188.849 126.426,188.534 DS2.5@128.08,188.534 128.08,185.23 127.703,184.853 126.619,184.853 ; 126.111,202.184 126.111,209.296 ; 126.619,153.242 126.619,160.142 ; 126.619,160.142 126.619,167.159 ; 126.619,167.159 126.619,174.184 ; 126.619,174.184 126.619,184.853
  Bottom Layer w0.4: DS2.5@85.48,188.442 85.48,184.014 86.61,182.884 87.503,182.884 DS2.5@91.117,182.884
AUX_DET: U1.7
AUXL: U1.5
AUXR: U1.4
BASS+: C37.1 IC2.3 R9.2 | length 11.1
  Top Layer w0.2: IC2.3@92.374,73.66 96.012,73.66 97.79,75.438 97.79,76.962 98.259,77.431 R9.2@99.314,77.431
  Top Layer w0.4: R9.2@99.314,77.431 99.48,77.597 100.672,77.597 C37.1@100.838,77.763
BT_OSCI: C25.1 U1.17 Y1.1 | length 8.1
  Top Layer w0.2: U1.17@116.913,43.531 120.435,43.531 C25.1@120.65,43.746 123.452,43.746 123.952,44.247 Y1.1@123.952,45.002